# Altium PCB LAY-94611_B.PcbDoc (part 9 of 16)
Units mil, origin at the board's own origin, x right, y up, seen from the top; angles counter-clockwise.
Board outline 4133.86 x 2559.05 mil, 10 copper layers (TOP, GND02, ART03, PWR04, PWR05, ART06, GND7, ART08, GND09, BOTTOM), stack 57.82 mil thick; 1104 components, 727 nets, 3774 pads, 1630 vias.
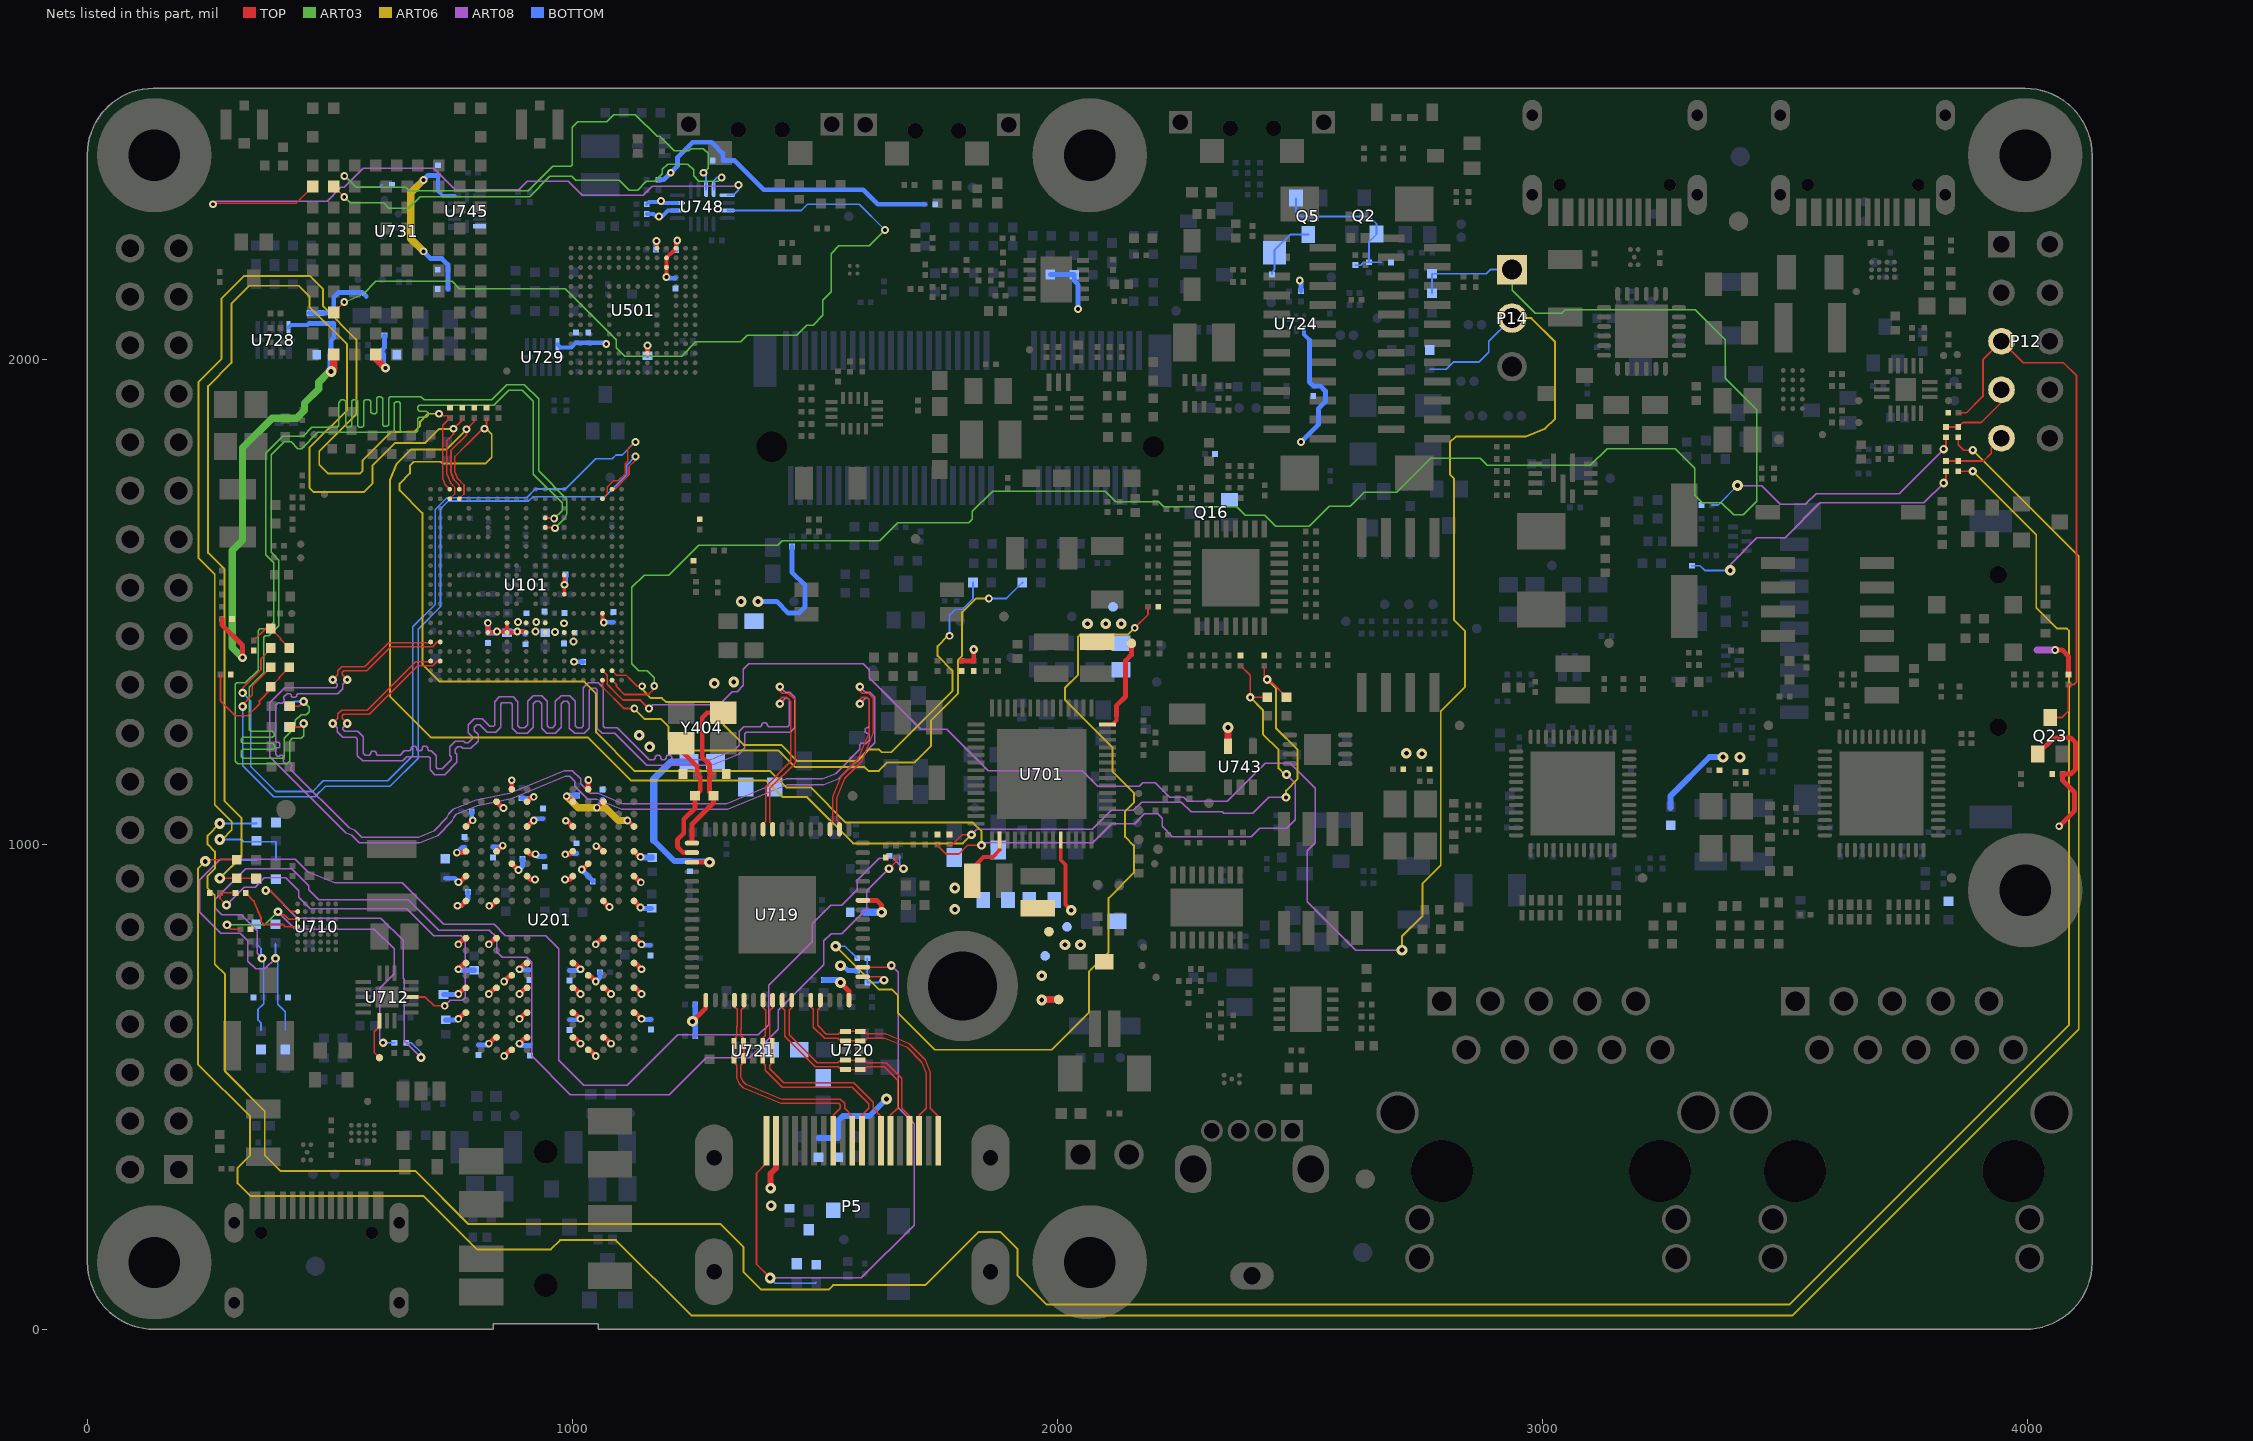
[diagram p17: the nets of this part, all layers, seen from the top]

## Via types
v1: diameter 16/16/0/0/0/0/16/0/16/16 (per signal layer), hole 8, TOP to BOTTOM, tented both sides, 177 vias
v2: diameter 22/22/0/0/0/0/22/0/22/22 (per signal layer), hole 10, TOP to BOTTOM, tented both sides, 156 vias
v3: diameter 16/0/16/0/0/0/0/0/0/16 (per signal layer), hole 8, TOP to BOTTOM, tented both sides, 137 vias
v4: diameter 16/0/0/0/0/16/0/0/0/16 (per signal layer), hole 8, TOP to BOTTOM, tented both sides, 94 vias
v5: diameter 16, hole 8, TOP to BOTTOM, tented both sides, 88 vias
v6: diameter 18/0/0/0/0/0/0/18/0/18 (per signal layer), hole 8, TOP to BOTTOM, tented both sides, 84 vias
v7: diameter 22, hole 10, TOP to BOTTOM, tented both sides, 83 vias
v8: diameter 18, hole 8.1, TOP to BOTTOM, tented both sides, 78 vias
v9: diameter 16/0/0/0/0/0/0/16/0/16 (per signal layer), hole 8, TOP to BOTTOM, tented both sides, 77 vias
v10: diameter 18/18/0/0/0/0/18/0/18/18 (per signal layer), hole 8, TOP to BOTTOM, tented both sides, 62 vias
v11: diameter 18/0/18/0/0/0/0/0/0/18 (per signal layer), hole 8, TOP to BOTTOM, tented both sides, 50 vias
v12: diameter 16/0/0/16/0/0/0/0/0/16 (per signal layer), hole 8, TOP to BOTTOM, tented both sides, 49 vias
v13: diameter 22/0/0/0/22/0/0/0/0/22 (per signal layer), hole 10, TOP to BOTTOM, tented both sides, 49 vias
v14: diameter 22/0/22/0/0/0/0/0/0/22 (per signal layer), hole 10, TOP to BOTTOM, tented both sides, 48 vias
v15: diameter 18, hole 8, TOP to BOTTOM, tented both sides, 47 vias
v16: diameter 16/0/0/0/16/0/0/0/0/16 (per signal layer), hole 8, TOP to BOTTOM, tented both sides, 40 vias
v17: diameter 22/0/0/22/0/0/0/0/0/22 (per signal layer), hole 10, TOP to BOTTOM, tented both sides, 40 vias
v18: diameter 22/0/0/0/0/0/0/22/0/22 (per signal layer), hole 10, TOP to BOTTOM, tented both sides, 31 vias
v19: diameter 22/0/0/0/0/22/0/0/0/22 (per signal layer), hole 10, TOP to BOTTOM, tented both sides, 30 vias
v20: diameter 18/0/0/0/0/18/0/0/0/18 (per signal layer), hole 8, TOP to BOTTOM, tented both sides, 27 vias
v21: diameter 16/16/16/0/0/0/0/0/0/16 (per signal layer), hole 8, TOP to BOTTOM, tented both sides, 24 vias
v22: diameter 16/0/16/0/0/16/0/0/0/16 (per signal layer), hole 8, TOP to BOTTOM, tented both sides, 14 vias
v23: diameter 22/22/0/22/0/0/22/0/22/22 (per signal layer), hole 10, TOP to BOTTOM, tented both sides, 14 vias
v24: diameter 16/16/16/0/0/0/16/0/16/16 (per signal layer), hole 8, TOP to BOTTOM, tented both sides, 11 vias
v25: diameter 18/0/0/0/0/18/0/18/0/18 (per signal layer), hole 8, TOP to BOTTOM, tented both sides, 11 vias
v26: diameter 18/0/0/18/0/0/0/0/0/18 (per signal layer), hole 8, TOP to BOTTOM, tented both sides, 11 vias
v27: diameter 18/0/0/0/18/0/0/0/0/18 (per signal layer), hole 8, TOP to BOTTOM, tented both sides, 10 vias
v28: diameter 16/0/16/0/0/0/0/16/0/16 (per signal layer), hole 8, TOP to BOTTOM, tented both sides, 8 vias
v29: diameter 16/16/0/16/0/0/16/0/16/16 (per signal layer), hole 8, TOP to BOTTOM, tented both sides, 8 vias
v30: diameter 18/18/0/18/0/0/18/0/18/18 (per signal layer), hole 8, TOP to BOTTOM, tented both sides, 6 vias
v31: diameter 22/0/0/0/22/22/0/0/0/22 (per signal layer), hole 10, TOP to BOTTOM, tented both sides, 6 vias
v32: diameter 16/0/16/16/0/0/0/0/0/16 (per signal layer), hole 8, TOP to BOTTOM, tented both sides, 5 vias
v33: diameter 18/18/0/18/18/0/18/0/18/18 (per signal layer), hole 8, TOP to BOTTOM, tented both sides, 5 vias
v34: diameter 16/0/0/0/0/16/0/16/0/16 (per signal layer), hole 8, TOP to BOTTOM, tented both sides, 4 vias
v35: diameter 22/0/22/22/0/0/0/0/0/22 (per signal layer), hole 10, TOP to BOTTOM, tented both sides, 4 vias
v36: diameter 16/0/16/16/0/16/0/0/0/16 (per signal layer), hole 8, TOP to BOTTOM, tented both sides, 3 vias
v37: diameter 22/22/0/0/22/0/22/0/22/22 (per signal layer), hole 10, TOP to BOTTOM, tented both sides, 3 vias
v38: diameter 22/0/0/22/22/22/0/0/0/22 (per signal layer), hole 10, TOP to BOTTOM, tented both sides, 3 vias
v39: diameter 22/0/22/0/0/22/0/0/0/22 (per signal layer), hole 10, TOP to BOTTOM, tented both sides, 3 vias
v40: diameter 22/0/22/0/0/0/0/22/0/22 (per signal layer), hole 10, TOP to BOTTOM, tented both sides, 3 vias
v41: diameter 16/0/16/0/16/0/0/0/0/16 (per signal layer), hole 8, TOP to BOTTOM, tented both sides, 3 vias
v42: diameter 22/22/0/22/22/0/22/0/22/22 (per signal layer), hole 10, TOP to BOTTOM, tented both sides, 2 vias
v43: diameter 18/0/18/0/0/0/0/18/0/18 (per signal layer), hole 8, TOP to BOTTOM, tented both sides, 2 vias
v44: diameter 22/0/0/22/0/22/0/0/0/22 (per signal layer), hole 10, TOP to BOTTOM, tented both sides, 2 vias
v45: diameter 22/0/0/0/0/22/0/22/0/22 (per signal layer), hole 10, TOP to BOTTOM, tented both sides, 2 vias
v46: diameter 22/0/22/0/22/0/0/0/0/22 (per signal layer), hole 10, TOP to BOTTOM, tented both sides, 2 vias
v47: diameter 22/0/0/22/22/0/0/0/0/22 (per signal layer), hole 10, TOP to BOTTOM, tented both sides, 2 vias
v48: diameter 16/0/0/16/0/16/0/0/0/16 (per signal layer), hole 8, TOP to BOTTOM, tented both sides, 1 vias
v49: diameter 18/0/18/0/0/18/0/0/0/18 (per signal layer), hole 8, TOP to BOTTOM, tented both sides, 1 vias
v50: diameter 18/18/0/0/18/0/18/0/18/18 (per signal layer), hole 8, TOP to BOTTOM, tented both sides, 1 vias
v51: diameter 16/16/0/16/16/0/16/0/16/16 (per signal layer), hole 8, TOP to BOTTOM, tented both sides, 1 vias
v52: diameter 18/0/18/0/18/0/0/0/0/18 (per signal layer), hole 8, TOP to BOTTOM, tented both sides, 1 vias
v53: diameter 18/0/0/0/18/18/0/0/0/18 (per signal layer), hole 8, TOP to BOTTOM, tented both sides, 1 vias
v54: diameter 22/0/22/0/22/22/0/22/0/22 (per signal layer), hole 10, TOP to BOTTOM, tented both sides, 1 vias
v55: diameter 22/0/0/0/22/22/0/22/0/22 (per signal layer), hole 10, TOP to BOTTOM, tented both sides, 1 vias
v56: diameter 16/16/16/0/0/0/16/0/0/16 (per signal layer), hole 8, TOP to BOTTOM, tented both sides, 1 vias
v57: diameter 22/0/0/22/0/0/0/22/0/22 (per signal layer), hole 10, TOP to BOTTOM, tented both sides, 1 vias
v58: diameter 16/0/0/0/16/16/0/0/0/16 (per signal layer), hole 8, TOP to BOTTOM, tented both sides, 1 vias
v59: diameter 16/0/0/16/16/0/0/0/0/16 (per signal layer), hole 8, TOP to BOTTOM, tented both sides, 1 vias

## Nets (pads, with @x,y where several pads share a name; then routed paths per layer and width w, separated by ;. In a path a pad name is that pad's centre, name@x,y a point inside that pad or via, vN(x,y) a via of type N, cw(c..) or ccw(c..) an arc to the next point about the centre after c; other vN are vias at no path point) (continued)
GPIO_IO10: R2815.2 R2816.1 U101.N17 | length 2342.4
  TOP w3.62: R2816.1@417.8,1242 438.35,1242 v11(445.8,1249.45) ; U101.N17@943.97,1653.6 962.51,1653.6 v3(963.95,1652.16)
  ART03 w3.09: v11(445.8,1249.45) 445.8,1224.01 440.79,1219 422.8,1219 416.8,1213 416.8,1171.09 411.71,1166 309.89,1166 304.8,1171.09 304.8,1329.91 307.89,1333 325.8,1333 351.8,1359 351.8,1441 355.8,1445 370.8,1445 383.8,1458 383.8,1581 367.8,1597 367.8,1806.71 403.09,1842 444.8,1842 462.8,1860 514.71,1860 517.8,1863.09 517.8,1911 523.8,1917 528.88,1917 532.5,1913.38 532.5,1863.62 536.12,1860 541.24,1860 544.86,1863.62 544.86,1913.38 548.48,1917 553.6,1917 557.22,1913.38 557.22,1863.62 560.84,1860 565.96,1860 569.58,1863.62 569.58,1913.38 573.2,1917 580.99,1917 584.61,1913.38 584.61,1891.62 588.23,1888 593.35,1888 596.97,1891.62 596.97,1920.31 600.06,1923.4 605.13,1923.4 608.75,1919.78 608.75,1865.62 612.37,1862 617.49,1862 621.11,1865.62 621.11,1919.78 624.73,1923.4 687.57,1923.4 694.57,1916.4 833.49,1916.4 865.09,1948 900.79,1948 930.3,1918.49 930.3,1770.5 988.8,1712 988.8,1681.34 985.73,1673.94 v3(963.95,1652.16)
  BOTTOM w3.62: R2815.2@415.8,1242 438.35,1242 v11(445.8,1249.45)
GPIO_IO11: R2817.2 R2818.1 U101.N18 | length 2294.1
  TOP w3.62: R2818.1@417.8,1285 436.35,1285 v11(445.8,1294.45) ; U101.N18@943.97,1673.29 961.21,1673.29 v3(962.4,1672.1)
  ART03 w3.09: v11(445.8,1294.45) 457,1283.25 457,1273 451.6,1267.6 440.39,1267.6 428.8,1256.01 428.8,1242 405.8,1219 405.8,1181.81 401.99,1178 319.89,1178 316.8,1181.09 316.8,1192.31 320.42,1195.93 382.18,1195.93 385.8,1199.55 385.8,1204.67 382.18,1208.29 320.42,1208.29 316.8,1211.91 316.8,1217.03 320.42,1220.65 381.18,1220.65 384.8,1224.27 384.8,1229.39 381.18,1233.01 337.09,1233.01 334,1236.1 334,1324.2 363.8,1354 363.8,1426.91 366.89,1430 373.8,1430 394.8,1451 394.8,1586 378.8,1602 378.8,1803 405.8,1830 419.79,1830 433.79,1816 441.67,1816 475.07,1849.4 629.33,1849.4 632.95,1853.02 632.95,1909.38 636.57,1913 641.69,1913 645.31,1909.38 645.31,1853.02 648.93,1849.4 677.71,1849.4 680.8,1852.49 680.8,1877.67 684.42,1881.29 699.18,1881.29 702.8,1884.91 702.8,1890.03 699.18,1893.65 684.42,1893.65 680.8,1897.27 680.8,1902.91 683.89,1906 837.8,1906 868.8,1937 896.8,1937 919.8,1914 919.8,1763 978.8,1704 978.8,1688.5 v3(962.4,1672.1)
  BOTTOM w3.62: R2817.2@415.8,1285 425.25,1294.45 v11(445.8,1294.45)
GPIO_IO28: R2988.1 U101.W20 | length 1810.6
  TOP w3.2: U101.W20@1062.08,1712.66 1071.93,1722.51 1071.93,1737.13 1084.8,1750 1094.81,1750 1108.8,1763.99 1108.8,1785 1113.9,1790.1 1113.9,1813.89 v5(1130.01,1830)
  TOP w3.62: v15(320,1312.5) 320,1322.5 358,1360.5 358,1383 378,1403 R2988.1@378,1405.04
  BOTTOM w3.62: v15(320,1312.5) 337,1295.5 337,1160.56 388.56,1109 464.44,1109 486.44,1131 619.44,1131 671,1182.56 671,1448.56 717,1494.56 717,1690.65 741.37,1715.02 906.02,1715.02 924,1733 986,1733 1048,1795 1082,1795 1090,1803 1103.01,1803 v5(1130.01,1830)
GPIO_IO29: R2990.1 U101.Y21 | length 1731
  TOP w3.2: U101.Y21@1081.76,1732.34 1087.14,1732.34 1116.8,1762 1116.8,1779 1130.01,1792.21 v5(1130.01,1800)
  TOP w3.62: v15(320,1284.5) 320,1288 340,1308 340,1327.04 R2990.1@378,1365.04
  BOTTOM w3.62: v15(320,1284.5) 320,1162 384,1098 469,1098 491,1120 624,1120 682,1178 682,1444 728,1490 728,1692 744.2,1708.2 910.2,1708.2 919,1717 1067,1717 1112,1762 1112,1781.99 v5(1130.01,1800)
HDMI_5V: C913.1 D609.1 F5.2 P5.18 R2730.1 R2732.1 | length 296.2
  TOP w12: v18(1408.8,291) 1408.8,321 1419.82,332.02 P5.18@1419.82,388.74
  BOTTOM w12: 1507.76,394.8 1547.76,394.8 1547.76,429.96 1557.8,440 1612.8,440 v18(1647.8,475)
  other v18: 1409.8,255
HDMI_CLK_N: P5.12 U719.52 U721.5 U721.6 | length 480.1
  TOP w2.79: U719.52@1334.22,678.82 1334.22,665.1 1339.68,659.64 1339.68,624.6 1338.9,623.82 1338.9,604.11 1333.43,598.64 U721.5@1333.43,589.49 U721.6@1333.43,559.17 1333.43,550.37 1338.85,544.95 1338.85,519.02 1344.16,506.18 1352.49,497.85 1429.51,465.95 1549.17,465.95 1552.44,462.68 1552.44,455.8 1537.93,441.29 P5.12@1537.93,388.78
HDMI_CLK_P: P5.10 U719.53 U721.4 U721.7 | length 481.4
  TOP w2.79: U719.53@1353.9,678.82 1353.9,664.59 1348.43,659.12 1348.43,620.97 1347.65,620.19 1347.65,605.15 1353.12,599.68 U721.4@1353.12,589.49 U721.7@1353.12,559.17 1353.12,550.33 1347.65,544.86 1347.65,520.78 1351.63,511.17 1357.48,505.32 1431.27,474.75 1552.82,474.75 1561.19,466.38 1561.19,455.79 1577.3,439.68 P5.10@1577.3,388.74
HDMI_D0_N: P5.9 U719.55 U721.2 U721.9 | length 476.3
  TOP w2.79: U719.55@1393.27,678.82 1393.27,663.53 1398.74,658.06 1398.74,618.27 1397.95,617.48 1397.95,605.15 1392.49,599.69 U721.2@1392.49,589.49 U721.9@1392.49,559.17 1392.49,550.31 1398.05,544.75 1398.05,533.76 1432.58,499.25 1577.09,499.25 1611.44,464.9 1611.44,455.71 1596.98,441.25 P5.9@1596.98,388.74
HDMI_D0_P: P5.7 U719.56 U721.1 U721.10 | length 476.9
  TOP w2.79: U719.56@1412.96,678.82 1412.96,663.15 1407.49,657.68 1407.49,614.64 1406.7,613.85 1406.7,604.11 1412.17,598.64 U721.1@1412.17,589.49 U721.10@1412.17,559.17 1412.17,550.37 1406.8,545 1406.8,544.8 1406.85,544.75 1406.85,537.41 1436.23,508.05 1580.74,508.05 1620.24,468.55 1620.24,455.75 1636.35,439.64 P5.7@1636.35,388.74
HDMI_D1_N: P5.6 U719.57 U720.5 U720.6 | length 482.3
  TOP w2.79: U719.57@1432.64,678.82 1432.64,663.53 1438.11,658.06 1438.11,604.25 1501.26,541.1 1548.69,541.1 1554.16,535.63 U720.5@1563.31,535.63 U720.6@1593.63,535.63 1602.43,535.63 1607.85,541.05 1643.3,541.05 1670.5,513.85 1670.5,455.71 1656.04,441.25 P5.6@1656.04,388.74
HDMI_D1_P: P5.4 U719.58 U720.4 U720.7 | length 482.9
  TOP w2.79: U719.58@1452.33,678.82 1452.33,663.15 1446.91,657.73 1446.91,607.9 1504.91,549.9 1547.7,549.9 1553.12,555.32 U720.4@1563.31,555.32 U720.7@1593.63,555.32 1602.47,555.32 1607.94,549.85 1646.95,549.85 1679.3,517.5 1679.3,455.75 1695.41,439.64 P5.4@1695.41,388.74
HDMI_D2_N: P5.3 U719.60 U720.2 U720.9 | length 481.4
  TOP w2.79: U719.60@1491.7,678.82 1491.7,665.1 1497.16,659.64 1497.16,623.26 1520.27,600.15 1547.65,600.15 1553.11,594.69 U720.2@1563.31,594.69 U720.9@1593.63,594.69 1602.49,594.69 1608,600.2 1644.24,600.2 1690.18,581.16 1720.14,551.2 1729.55,528.5 1729.55,455.75 1715.09,441.29 P5.3@1715.09,388.78
HDMI_D2_P: P5.1 U719.61 U720.1 U720.10 | length 481.6
  TOP w2.79: U719.61@1511.38,678.82 1511.38,664.59 1505.91,659.12 1505.91,626.89 1523.9,608.9 1548.69,608.9 1554.16,614.37 U720.1@1563.31,614.37 U720.10@1593.63,614.37 1602.43,614.37 1607.8,609 1646,609 1695.17,588.63 1727.61,556.19 1738.35,530.26 1738.35,455.79 1754.46,439.68 P5.1@1754.46,388.74
HDMI_HPD: D612.1 P5.19 R2733.2 U719.3 | length 1359.9
  TOP w3.62: P5.19@1400.13,388.74 1400.13,342.34 1379.8,322.01 1379.8,133.9 v18(1407.8,105.9) ; U719.3@1598.98,746.73 1654.53,746.73 v6(1657.8,750)
  ART08 w3.09: v18(1407.8,105.9) 1595.7,105.9 1704.8,215 1704.8,424 1671.8,457 1671.8,736 v6(1657.8,750)
  BOTTOM w3.62: v18(1407.8,105.9) 1418.7,95 1462.8,95 1500.96,95 1502.76,96.8
HDMI_XTALIN: C914.2 R2728.2 U719.33 Y404.1 | length 338.6
  TOP w10: U719.33@1246.62,1002.64 1246.62,1041.82 1291,1086.2 R2728.2@1291,1100.04 1282.8,1108.24 1282.8,1139.76 1288.04,1145 1282.8,1150.24 1282.8,1165 1267.8,1180 1267.8,1261.5 1277.8,1271.5 Y404.1@1311.11,1271.5
HDMI_XTALOUT: C915.2 R2728.1 U719.34 Y404.3 | length 284.1
  TOP w10: Y404.3@1224.49,1208.5 1224.49,1193.3 1257.56,1160.23 1257.56,1145 1263.8,1138.76 1263.8,1110.84 R2728.1@1253,1100.04 1253,1075 1229.62,1051.62 1229.62,1022.62 1216.58,1009.58 1216.58,995.42 1229.05,982.95 U719.34@1246.62,982.95
HEART_BEAT: Q5.3 R2622.2 TP919.1 | length 135
  BOTTOM w3.62: R2622.2@2442.8,2175.51 2442.8,2180 2447.8,2185 TP919.1@2447.8,2220 2447.8,2224.99 2480.34,2257.53 Q5.3@2517.8,2257.53
HEART_BEAT_EN: Q2.1 Q5.1 R2623.2 R2624.1 R2628.1 | length 344.6
  BOTTOM w3.62: Q5.1@2492.3,2332.47 2492.3,2304.71 2502.01,2295 2642.8,2295 2658.3,2279.5 Q2.1@2658.3,2258.53 2642.81,2243.04 2642.8,2237.92 R2624.1@2642.8,2200.51 ; R2628.1@2615,2194.49 2625.49,2194.49 2631.51,2200.51 R2624.1@2642.8,2200.51 ; 2667.29,2200 2666.78,2200.51 R2624.1@2642.8,2200.51
I2C1_SCL: R2569.1 R2725.2 R2767.1 R2999.2 | length 3091.5
  TOP w3.62: v6(337.8,1075) 347.76,1065.04 R2999.2@347.76,968.2 ; v6(1647.8,1025) 1667.31,1005.49 1667.31,998 ; v11(1826.8,1436) 1850,1412.8 1850,1381.31 1852.8,1378.51 ; 2352.8,1368.49 2352.8,1351 2361.8,1342 v14(2362.8,1342)
  ART03 w3.09: v11(1826.8,1436) 1852.8,1410 1852.8,1398.2 1893.5,1357.5 1893.5,1339 1908,1324.5 1927.5,1324.5 1953,1350 2148,1350 2153,1355 2180,1355 2185,1350 2215,1350 2220,1355 2271,1355 2273,1357 2347.8,1357 v14(2362.8,1342)
  ART08 w3.09: v6(337.8,1075) 348.8,1075 464.38,959.42 513.42,939.1 650.7,939.1 745.8,844 842.53,844 865.53,821 1148.8,821 1201.8,768 1220.8,768 1237.8,751 1304.8,751 1327.8,774 1375.8,774 1395.8,794 1395.8,814 1409.8,828 1437.8,828 1449.8,840 1449.8,920 1484.8,955 1514.8,955 1524.8,965 1587.8,965 v6(1647.8,1025)
  BOTTOM w3.62: v6(1647.8,1025) 1663.39,1040.59 1671.62,1044 1732.81,1044 1751.01,1062.2 1751.01,1231 1769.01,1249 1845.81,1249 1877.8,1280.99 1877.8,1332.2 1850.8,1359.2 1850.8,1412 v11(1826.8,1436)
I2C1_SCL: R2666.1 R2676.2 R2999.1 R3001.1 U101.C20 | length 2627.6
  TOP w3.2: U101.C20@747.12,1712.66 757.05,1722.59 757.05,1736.75 752.8,1741
  TOP w3.62: v19(273,930.2) R3001.1@307.76,930.2 R2999.1@347.76,930.2 ; 752.8,1741 748.92,1744.88 740.8,1764.49 740.8,1832 754.8,1846 v4(754.8,1857) 772.8,1875 772.8,1879.49
  ART06 w4: v19(273,930.2) 317.8,975 317.8,1054 282.8,1089 282.8,1567 248.8,1601 248.8,1945 296.8,1993 296.8,2115 333.8,2152 435.8,2152 457.8,2130 457.8,2109 535.3,2031.5 535.3,1895.5 457.8,1818 457.8,1734.99 465.79,1727 570.8,1727 587.8,1744 587.8,1781 634.8,1828 696.8,1828 725.8,1857 v4(754.8,1857)
  BOTTOM w3.62: v19(273,930.2) 310.6,967.8 348.76,967.8
I2C1_SDA: R2570.1 R2726.2 R2769.1 R2998.2 | length 3023.8
  TOP w3.62: 1877.8,1378.51 v11(1877.8,1402) ; 2456.8,1368.49 2468.8,1368.49 2473.8,1373.49 2473.8,1403 2461.8,1415 v11(2456.8,1415)
  ART03 w3.09: v11(1877.8,1402) 1888.8,1413 2255.8,1413 2269.8,1399 2440.8,1399 v11(2456.8,1415)
  ART08 w3.09: v6(337.8,1105) 377.8,1105 484.3,998.5 484.3,992.5 519.3,957.5 647.3,957.5 750.8,854 846.68,854 867.68,833 1167.8,833 1208.8,792 1235.8,792 1257.8,770 1295.8,770 1354.8,829 1383.8,829 1398.8,844 1398.8,924 1407.8,933 1434.8,933 1472.8,971 1472.8,1004 1513.8,1045 1657.8,1045 v6(1677.8,1025)
  BOTTOM w3.62: v6(337.8,1105) 388.76,1054.04 388.76,1043.2 ; 1675.31,1001 1675.31,1022.51 v6(1677.8,1025) 1736.3,1025 1770.8,1059.5 1770.8,1220 1779.8,1229 1855.8,1229 1897.8,1271 1897.8,1342.2 1877.8,1362.2 v11(1877.8,1402)
I2C1_SDA: R2664.1 R2674.2 R2998.1 R3000.1 U101.C21 | length 2502.1
  TOP w3.62: v4(724.8,1888) 728.8,1884 743.29,1884 747.8,1879.49 732.8,1864.49 732.8,1754.25 738.16,1741.3 U101.C21@747.12,1732.34
  ART06 w4: v19(272.8,1010) 277.57,1010 297.57,1030 297.57,1046.22 262.57,1081.22 262.57,1557 228.8,1590.77 228.8,1953 276.79,2000.99 276.79,2126 323.02,2172.23 458.57,2172.23 485.8,2145 485.8,2110 554.8,2041 554.8,1887 478.03,1810.23 478.03,1782.77 495.57,1765.23 562.3,1765.23 566.8,1769.73 566.8,1791 625.8,1850 672.8,1850 685.8,1863 685.8,1872 701.8,1888 v4(724.8,1888)
  BOTTOM w3.62: v19(272.8,1010) 317.8,1010 322.6,1005.2 348.76,1005.2 388.76,1005.2 388.76,967.8
I2C2_SCL: R714.1 R2579.2 R2665.2 R2763.1 U101.D20 | length 3489.4
  TOP w3.2: U101.D20@766.8,1712.66 776.55,1722.41 776.55,1741.25 763.92,1753.88 757.8,1768.66 757.8,1800 780.8,1823
  TOP w3.62: 780.8,1823 814.8,1857 v4(818.8,1857) 822.8,1861 822.8,1879.49 ; 1752.8,999.49 1752.8,998.01 1770.81,980 1796.79,980 1814.79,998 v25(1843.8,998) ; 2377.8,1368.49 2397.8,1348.49 v20(2397.8,1303.2) R2579.2@2432.76,1303.2
  ART06 w4: v4(818.8,1857) 821.8,1854 825.8,1854 833.8,1846 833.8,1798 821.3,1785.5 732,1785.5 728.5,1789 673.01,1789 665,1780.99 665,1765.2 643.8,1744 643.8,1730 690.8,1683 690.8,1371 725.8,1336 1023.8,1336 1048.8,1311 1048.8,1231 1128.8,1151 1407.87,1151 1441.37,1117.5 1491.3,1117.5 1563.8,1045 1825.8,1045 1843.8,1027 v25(1843.8,998) ; v20(2397.8,1303.2) 2423.9,1277.1 2423.9,1227.4 2456.3,1195 2456.3,1156.5 2467.8,1145 2471.8,1145 v25(2472.8,1144)
  ART08 w3.09: v25(1843.8,998) 1848.8,1003 2072.8,1003 2112.8,1043 2159.8,1043 2179.8,1063 2207,1063 2216,1054 2216,1037 2237,1016 2400,1016 2417,1033 2473,1033 2490.8,1050.8 2490.8,1126 v25(2472.8,1144)
I2C2_SDA: R715.1 R2580.2 R2669.2 R2761.1 U101.D21 | length 3279.4
  TOP w3.62: U101.D21@766.8,1732.34 766.8,1741 755.92,1751.88 749.8,1766.66 749.8,1813 781.8,1845 v4(781.8,1856) 797.8,1872 797.8,1879.49 ; 1777.8,999.49 1783.28,999.49 1803.54,1019.75 v25(1823.06,1019.75) ; 2426.8,1368.49 2426.8,1346 v20(2432.8,1340) 2438.8,1334 2441.96,1334 R2580.2@2472.76,1303.2
  ART06 w4: v4(781.8,1856) 739.8,1814 666.8,1814 637.48,1784.68 623.8,1751.65 623.8,1305.64 709.12,1220.32 1032.47,1220.32 1121.29,1131.5 1399.79,1131.5 1433.29,1098 1482.8,1098 1578.8,1002 1805.31,1002 v25(1823.06,1019.75) ; v20(2432.8,1340) 2450.8,1322 2450.8,1240 2495.8,1195 2495.8,1135 2471.8,1111 v25(2471.8,1097)
  ART08 w3.09: v25(1823.06,1019.75) 1834.31,1031 2071.8,1031 2110.8,1070 2157,1070 2174,1087 2256,1087 2276,1067 2340,1067 2343,1064 2403,1064 2436,1097 v25(2471.8,1097)
I2C3_SCL: R2990.2 R2993.1 R2995.1 | length 258.3
  TOP w3.62: 274.49,1350 274.49,1295.51 305,1265 330,1265 355,1290 355,1296.54 378,1319.54 R2993.1@378,1325.04 396,1343.04 396,1345.04 R2990.2@416,1365.04
I2C3_SDA: R2988.2 R2992.1 R2994.1 | length 101.1
  TOP w3.62: 342.8,1420.51 367.33,1445.04 R2992.1@378,1445.04 398,1425.04 398,1423.04 R2988.2@416,1405.04
I2C4_SCL: R2671.1 R2673.1 R2677.1 R2996.2 | length 2415.8
  TOP w3.62: v6(1652.8,950) 1667.31,964.51 1667.31,973
  ART08 w3.09: v6(359.8,765) 349.8,775 349.8,822 316.8,855 276.8,855 263.3,868.5 263.3,886.5 326.8,950 420.8,950 456.3,914.5 456.3,906.5 476.8,886 661.8,886 724.8,823 828.8,823 843.8,808 843.8,779 855.8,767 905.8,767 915.8,757 915.8,564 995.8,484 1199.8,484 1275.8,560 1365.8,560 1424.8,619 1424.8,658 1518.8,752 1518.8,801 1533.8,816 1555.8,816 1606.8,867 1606.8,904 v6(1652.8,950)
  BOTTOM w3.62: 347.84,795.2 357.8,785.24 357.8,767 v6(359.8,765) 359.8,763 363.31,759.49 363.31,684 363.31,671.51 351.8,660 351.8,638 357.76,632.04 357.76,616.8